# KiCad board SparkFun_Thing_Plus_ESP32-S3_panelized.kicad_pcb
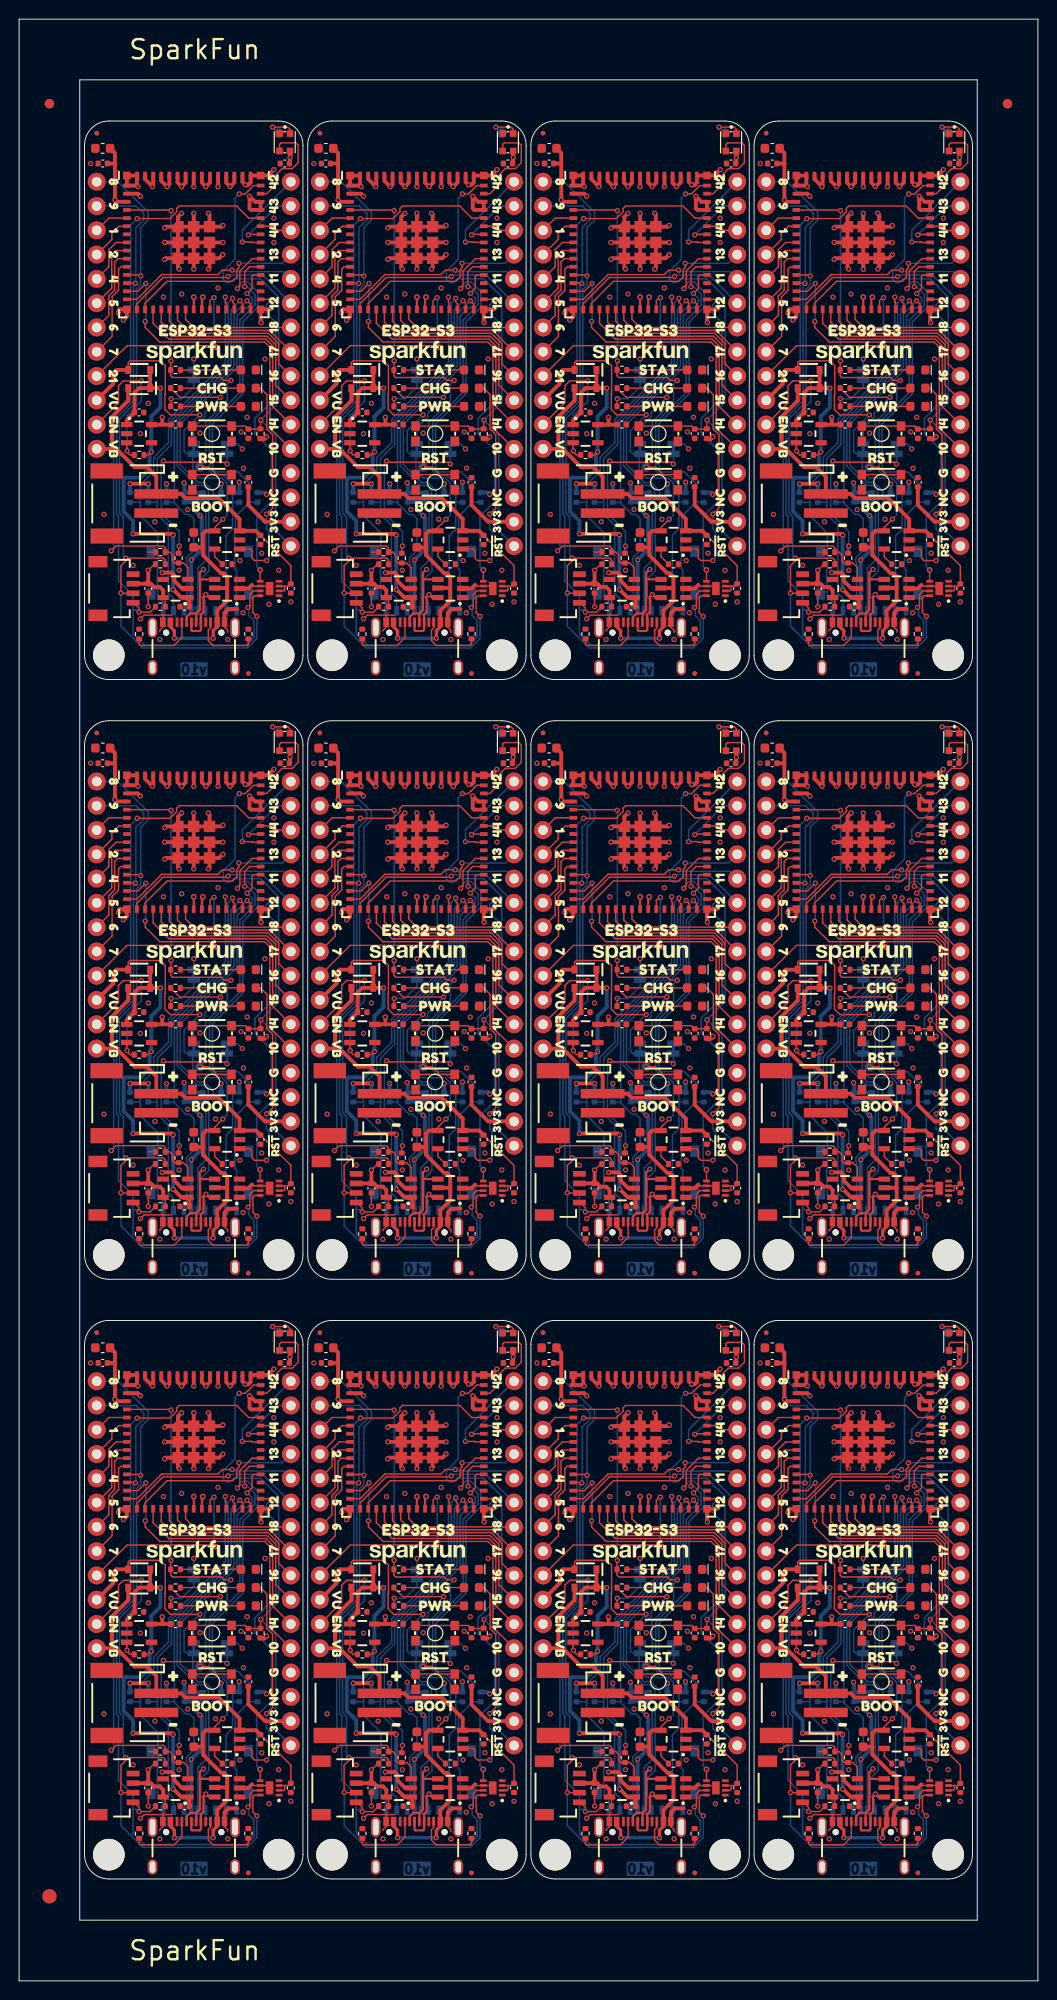
[diagram p0: board, top side]
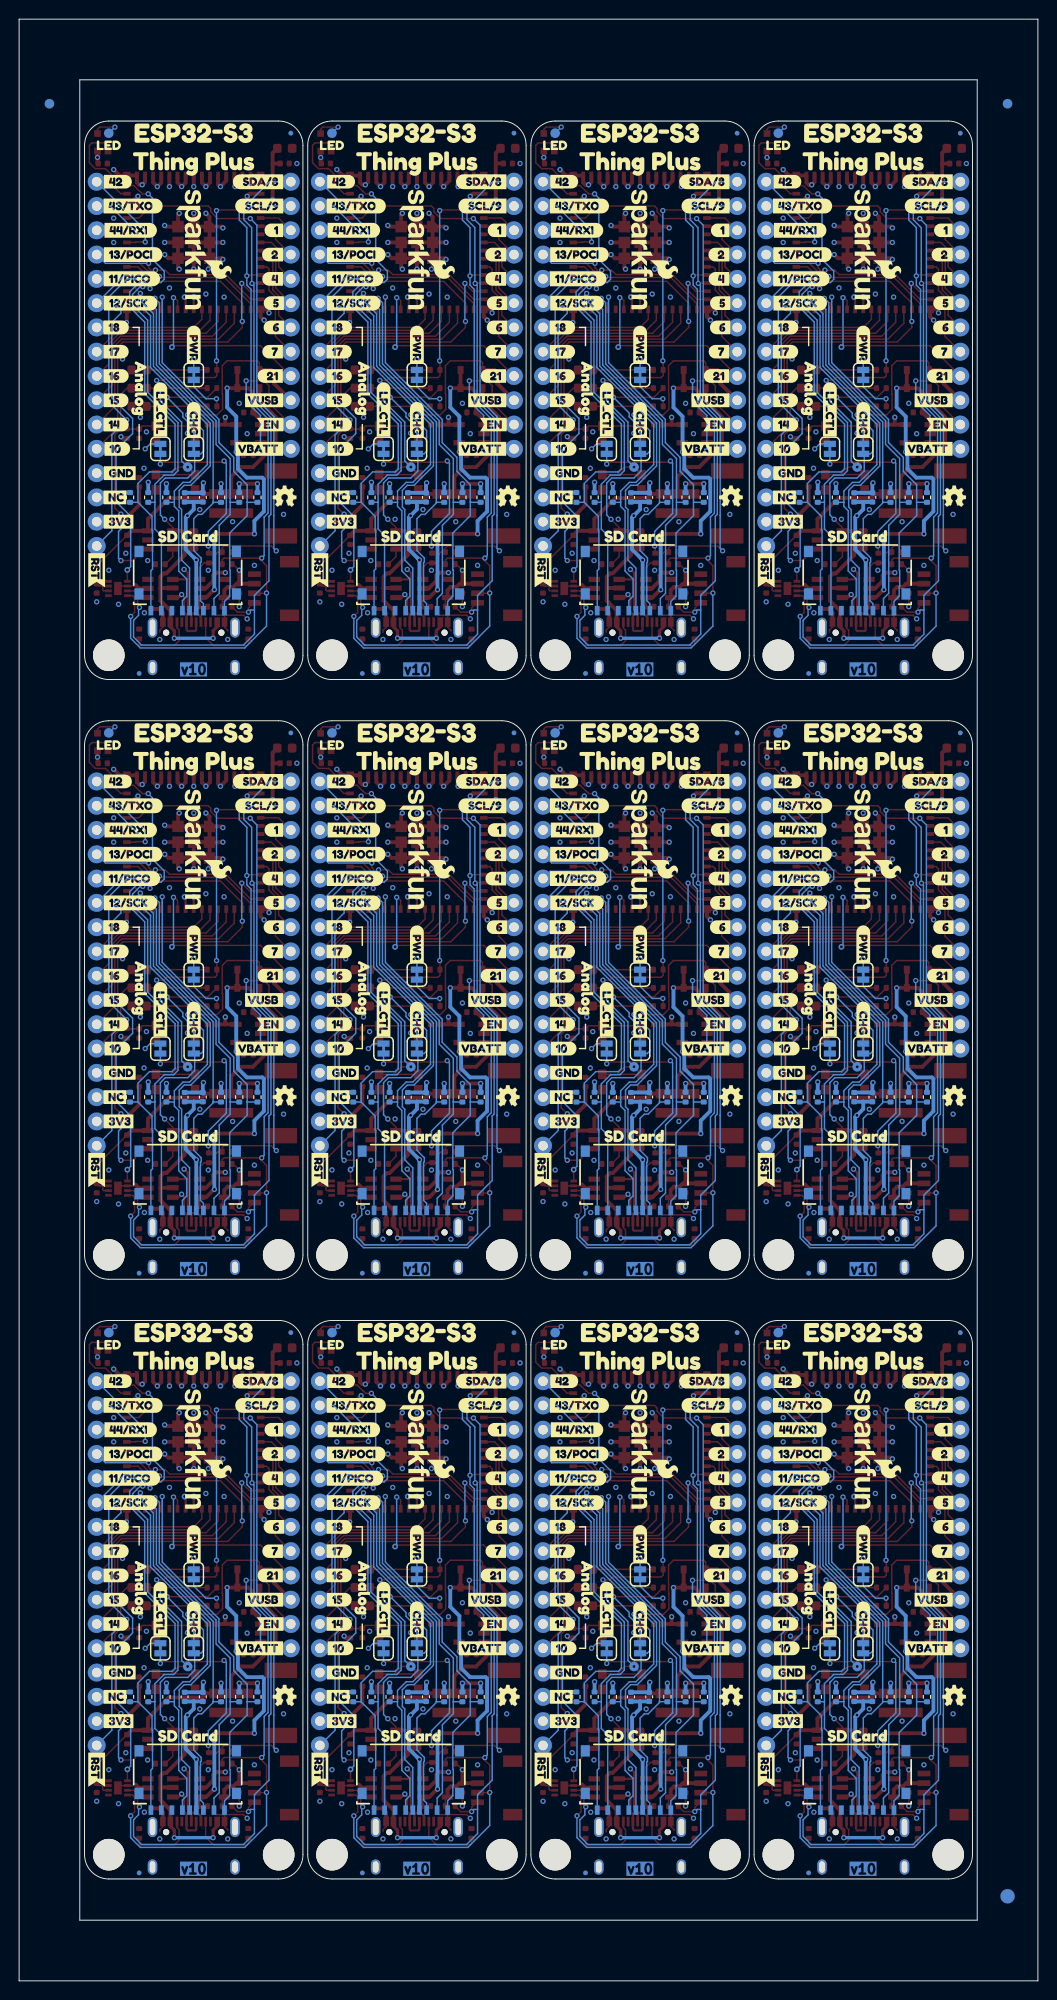
[diagram p1: board, bottom side, seen from below]

Outline 106.64 x 205.2 mm; copper layers: Top, In1.Cu - GND, In2.Cu -3V3, Bottom. Coordinates in mm from the lower left corner of the outline.
Outline path: 0,205.2 106.64,205.2 106.64,0 0,0 0,205.2 ; 6.35,198.85 100.29,198.85 100.29,6.35 6.35,6.35 6.35,198.85 ; 6.85,192 arc(7.59,193.8) 9.39,194.54 27.17,194.54 arc(28.97,193.8) 29.71,192 29.71,138.66 arc(28.97,136.86) 27.17,136.12 9.39,136.12 arc(7.59,136.86) 6.85,138.66 6.85,192 ; 6.85,129.27 arc(7.59,131.07) 9.39,131.81 27.17,131.81 arc(28.97,131.07) 29.71,129.27 29.71,75.93 arc(28.97,74.13) 27.17,73.39 9.39,73.39 arc(7.59,74.13) 6.85,75.93 6.85,129.27 ; 6.85,66.54 arc(7.59,68.34) 9.39,69.08 27.17,69.08 arc(28.97,68.34) 29.71,66.54 29.71,13.2 arc(28.97,11.4) 27.17,10.66 9.39,10.66 arc(7.59,11.4) 6.85,13.2 6.85,66.54 ; 30.21,192 arc(30.95,193.8) 32.75,194.54 50.53,194.54 arc(52.33,193.8) 53.07,192 53.07,138.66 arc(52.33,136.86) 50.53,136.12 32.75,136.12 arc(30.95,136.86) 30.21,138.66 30.21,192 ; 30.21,129.27 arc(30.95,131.07) 32.75,131.81 50.53,131.81 arc(52.33,131.07) 53.07,129.27 53.07,75.93 arc(52.33,74.13) 50.53,73.39 32.75,73.39 arc(30.95,74.13) 30.21,75.93 30.21,129.27 ; 30.21,66.54 arc(30.95,68.34) 32.75,69.08 50.53,69.08 arc(52.33,68.34) 53.07,66.54 53.07,13.2 arc(52.33,11.4) 50.53,10.66 32.75,10.66 arc(30.95,11.4) 30.21,13.2 30.21,66.54 ; 53.57,192 arc(54.31,193.8) 56.11,194.54 73.89,194.54 arc(75.69,193.8) 76.43,192 76.43,138.66 arc(75.69,136.86) 73.89,136.12 56.11,136.12 arc(54.31,136.86) 53.57,138.66 53.57,192 ; 53.57,129.27 arc(54.31,131.07) 56.11,131.81 73.89,131.81 arc(75.69,131.07) 76.43,129.27 76.43,75.93 arc(75.69,74.13) 73.89,73.39 56.11,73.39 arc(54.31,74.13) 53.57,75.93 53.57,129.27 ; 53.57,66.54 arc(54.31,68.34) 56.11,69.08 73.89,69.08 arc(75.69,68.34) 76.43,66.54 76.43,13.2 arc(75.69,11.4) 73.89,10.66 56.11,10.66 arc(54.31,11.4) 53.57,13.2 53.57,66.54 ; 76.93,192 arc(77.67,193.8) 79.47,194.54 97.25,194.54 arc(99.05,193.8) 99.79,192 99.79,138.66 arc(99.05,136.86) 97.25,136.12 79.47,136.12 arc(77.67,136.86) 76.93,138.66 76.93,192 ; 76.93,129.27 arc(77.67,131.07) 79.47,131.81 97.25,131.81 arc(99.05,131.07) 99.79,129.27 99.79,75.93 arc(99.05,74.13) 97.25,73.39 79.47,73.39 arc(77.67,74.13) 76.93,75.93 76.93,129.27 ; 76.93,66.54 arc(77.67,68.34) 79.47,69.08 97.25,69.08 arc(99.05,68.34) 99.79,66.54 99.79,13.2 arc(99.05,11.4) 97.25,10.66 79.47,10.66 arc(77.67,11.4) 76.93,13.2 76.93,66.54
Stack: Top 0.035mm / dielectric 0.1mm FR4 er 4.5 / In1.Cu - GND 0.035mm / dielectric 1.24mm FR4 er 4.5 / In2.Cu -3V3 0.035mm / dielectric 0.1mm FR4 er 4.5 / Bottom 0.035mm

## Placement (name value [footprint] x y rotation side)
C1  22uF  [C_0603_1608Metric]  55.47 128.95 0 top
C1#2  22uF  [C_0603_1608Metric]  78.84 66.22 0 top
C1#3  22uF  [C_0603_1608Metric]  32.11 191.68 0 top
C1#4  22uF  [C_0603_1608Metric]  8.75 191.68 0 top
C1#5  22uF  [C_0603_1608Metric]  32.11 128.95 0 top
C1#6  22uF  [C_0603_1608Metric]  55.47 66.22 0 top
C1#7  22uF  [C_0603_1608Metric]  32.11 66.22 0 top
C1#8  22uF  [C_0603_1608Metric]  8.75 128.95 0 top
C1#9  22uF  [C_0603_1608Metric]  55.47 191.68 0 top
C1#10  22uF  [C_0603_1608Metric]  78.84 128.95 0 top
C1#11  22uF  [C_0603_1608Metric]  78.84 191.68 0 top
C1#12  22uF  [C_0603_1608Metric]  8.75 66.22 0 top
C2  0.1uF  [C_0402_1005Metric]  98.52 145.65 270 top
C2#2  0.1uF  [C_0402_1005Metric]  51.8 82.92 270 top
C2#3  0.1uF  [C_0402_1005Metric]  28.44 82.92 270 top
C2#4  0.1uF  [C_0402_1005Metric]  51.8 20.19 270 top
C2#5  0.1uF  [C_0402_1005Metric]  75.16 82.92 270 top
C2#6  0.1uF  [C_0402_1005Metric]  75.16 145.65 270 top
C2#7  0.1uF  [C_0402_1005Metric]  98.52 82.92 270 top
C2#8  0.1uF  [C_0402_1005Metric]  75.16 20.19 270 top
C2#9  0.1uF  [C_0402_1005Metric]  51.8 145.65 270 top
C2#10  0.1uF  [C_0402_1005Metric]  28.44 145.65 270 top
C2#11  0.1uF  [C_0402_1005Metric]  98.52 20.19 270 top
C2#12  0.1uF  [C_0402_1005Metric]  28.44 20.19 270 top
C3  10uF  [C_0402_1005Metric]  36.88 20.19 270 top
C3#2  10uF  [C_0402_1005Metric]  13.52 145.65 270 top
C3#3  10uF  [C_0402_1005Metric]  36.88 82.92 270 top
C3#4  10uF  [C_0402_1005Metric]  60.24 20.19 270 top
C3#5  10uF  [C_0402_1005Metric]  13.52 82.92 270 top
C3#6  10uF  [C_0402_1005Metric]  83.6 82.92 270 top
C3#7  10uF  [C_0402_1005Metric]  60.24 145.65 270 top
C3#8  10uF  [C_0402_1005Metric]  83.6 20.19 270 top
C3#9  10uF  [C_0402_1005Metric]  36.88 145.65 270 top
C3#10  10uF  [C_0402_1005Metric]  83.6 145.65 270 top
C3#11  10uF  [C_0402_1005Metric]  60.24 82.92 270 top
C3#12  10uF  [C_0402_1005Metric]  13.52 20.19 270 top
C4  10uF  [C_0402_1005Metric]  17.33 92.44 90 bottom
C4#2  10uF  [C_0402_1005Metric]  40.69 29.71 90 bottom
C4#3  10uF  [C_0402_1005Metric]  40.69 155.17 90 bottom
C4#4  10uF  [C_0402_1005Metric]  64.05 29.71 90 bottom
C4#5  10uF  [C_0402_1005Metric]  64.05 155.17 90 bottom
C4#6  10uF  [C_0402_1005Metric]  17.33 155.17 90 bottom
C4#7  10uF  [C_0402_1005Metric]  40.69 92.44 90 bottom
C4#8  10uF  [C_0402_1005Metric]  64.05 92.44 90 bottom
C4#9  10uF  [C_0402_1005Metric]  87.41 29.71 90 bottom
C4#10  10uF  [C_0402_1005Metric]  87.41 92.44 90 bottom
C4#11  10uF  [C_0402_1005Metric]  87.41 155.17 90 bottom
C4#12  10uF  [C_0402_1005Metric]  17.33 29.71 90 bottom
C5  0.1uF  [C_0402_1005Metric]  89.31 92.44 90 bottom
C5#2  0.1uF  [C_0402_1005Metric]  65.95 155.17 90 bottom
C5#3  0.1uF  [C_0402_1005Metric]  19.23 155.17 90 bottom
C5#4  0.1uF  [C_0402_1005Metric]  42.59 29.71 90 bottom
C5#5  0.1uF  [C_0402_1005Metric]  19.23 92.44 90 bottom
C5#6  0.1uF  [C_0402_1005Metric]  42.59 92.44 90 bottom
C5#7  0.1uF  [C_0402_1005Metric]  65.95 92.44 90 bottom
C5#8  0.1uF  [C_0402_1005Metric]  42.59 155.17 90 bottom
C5#9  0.1uF  [C_0402_1005Metric]  89.31 29.71 90 bottom
C5#10  0.1uF  [C_0402_1005Metric]  65.95 29.71 90 bottom
C5#11  0.1uF  [C_0402_1005Metric]  89.31 155.17 90 bottom
C5#12  0.1uF  [C_0402_1005Metric]  19.23 29.71 90 bottom
C6  1.0uF  [C_0402_1005Metric]  70.72 36.38 270 top
C6#2  1.0uF  [C_0402_1005Metric]  47.35 36.38 270 top
C6#3  1.0uF  [C_0402_1005Metric]  94.07 99.11 270 top
C6#4  1.0uF  [C_0402_1005Metric]  47.35 99.11 270 top
C6#5  1.0uF  [C_0402_1005Metric]  47.35 161.84 270 top
C6#6  1.0uF  [C_0402_1005Metric]  94.07 36.38 270 top
C6#7  1.0uF  [C_0402_1005Metric]  70.72 99.11 270 top
C6#8  1.0uF  [C_0402_1005Metric]  70.72 161.84 270 top
C6#9  1.0uF  [C_0402_1005Metric]  24 99.11 270 top
C6#10  1.0uF  [C_0402_1005Metric]  24 161.84 270 top
C6#11  1.0uF  [C_0402_1005Metric]  94.07 161.84 270 top
C6#12  1.0uF  [C_0402_1005Metric]  24 36.38 270 top
C7  4.7uF  [C_0402_1005Metric]  55.47 64.64 180 top
C7#2  4.7uF  [C_0402_1005Metric]  32.11 127.37 180 top
C7#3  4.7uF  [C_0402_1005Metric]  55.47 127.37 180 top
C7#4  4.7uF  [C_0402_1005Metric]  78.84 190.09 180 top
C7#5  4.7uF  [C_0402_1005Metric]  32.11 190.09 180 top
C7#6  4.7uF  [C_0402_1005Metric]  78.84 127.37 180 top
C7#7  4.7uF  [C_0402_1005Metric]  55.47 190.09 180 top
C7#8  4.7uF  [C_0402_1005Metric]  78.84 64.64 180 top
C7#9  4.7uF  [C_0402_1005Metric]  8.75 127.37 180 top
C7#10  4.7uF  [C_0402_1005Metric]  8.75 190.09 180 top
C7#11  4.7uF  [C_0402_1005Metric]  32.11 64.64 180 top
C7#12  4.7uF  [C_0402_1005Metric]  8.75 64.64 180 top
C8  0.1uF  [C_0402_1005Metric]  51.16 127.37 180 top
C8#2  0.1uF  [C_0402_1005Metric]  74.53 190.09 180 top
C8#3  0.1uF  [C_0402_1005Metric]  97.88 127.37 180 top
C8#4  0.1uF  [C_0402_1005Metric]  74.53 127.37 180 top
C8#5  0.1uF  [C_0402_1005Metric]  74.53 64.64 180 top
C8#6  0.1uF  [C_0402_1005Metric]  27.81 127.37 180 top
C8#7  0.1uF  [C_0402_1005Metric]  27.81 190.09 180 top
C8#8  0.1uF  [C_0402_1005Metric]  51.16 64.64 180 top
C8#9  0.1uF  [C_0402_1005Metric]  51.16 190.09 180 top
C8#10  0.1uF  [C_0402_1005Metric]  97.88 64.64 180 top
C8#11  0.1uF  [C_0402_1005Metric]  97.88 190.09 180 top
C8#12  0.1uF  [C_0402_1005Metric]  27.81 64.64 180 top
C9  4.7uF  [C_0603_1608Metric]  18.28 88 90 top
C9#2  4.7uF  [C_0603_1608Metric]  41.64 25.27 90 top
C9#3  4.7uF  [C_0603_1608Metric]  41.64 88 90 top
C9#4  4.7uF  [C_0603_1608Metric]  41.64 150.72 90 top
C9#5  4.7uF  [C_0603_1608Metric]  65 25.27 90 top
C9#6  4.7uF  [C_0603_1608Metric]  65 88 90 top
C9#7  4.7uF  [C_0603_1608Metric]  65 150.72 90 top
C9#8  4.7uF  [C_0603_1608Metric]  88.36 88 90 top
C9#9  4.7uF  [C_0603_1608Metric]  88.36 150.72 90 top
C9#10  4.7uF  [C_0603_1608Metric]  18.28 150.72 90 top
C9#11  4.7uF  [C_0603_1608Metric]  88.36 25.27 90 top
C9#12  4.7uF  [C_0603_1608Metric]  18.28 25.27 90 top
C10  2.2uF  [C_0402_1005Metric]  35.93 164.06 0 top
C10#2  2.2uF  [C_0402_1005Metric]  82.65 101.33 0 top
C10#3  2.2uF  [C_0402_1005Metric]  12.56 164.06 0 top
C10#4  2.2uF  [C_0402_1005Metric]  35.93 38.6 0 top
C10#5  2.2uF  [C_0402_1005Metric]  35.93 101.33 0 top
C10#6  2.2uF  [C_0402_1005Metric]  59.28 38.6 0 top
C10#7  2.2uF  [C_0402_1005Metric]  82.65 38.6 0 top
C10#8  2.2uF  [C_0402_1005Metric]  12.56 101.33 0 top
C10#9  2.2uF  [C_0402_1005Metric]  59.28 101.33 0 top
C10#10  2.2uF  [C_0402_1005Metric]  59.28 164.06 0 top
C10#11  2.2uF  [C_0402_1005Metric]  82.65 164.06 0 top
C10#12  2.2uF  [C_0402_1005Metric]  12.56 38.6 0 top
C11  0.1uF  [C_0402_1005Metric]  47.35 94.03 90 top
C11#2  0.1uF  [C_0402_1005Metric]  24 94.03 90 top
C11#3  0.1uF  [C_0402_1005Metric]  24 156.76 90 top
C11#4  0.1uF  [C_0402_1005Metric]  47.35 31.3 90 top
C11#5  0.1uF  [C_0402_1005Metric]  47.35 156.76 90 top
C11#6  0.1uF  [C_0402_1005Metric]  70.72 94.03 90 top
C11#7  0.1uF  [C_0402_1005Metric]  70.72 156.76 90 top
C11#8  0.1uF  [C_0402_1005Metric]  94.07 94.03 90 top
C11#9  0.1uF  [C_0402_1005Metric]  94.07 156.76 90 top
C11#10  0.1uF  [C_0402_1005Metric]  70.72 31.3 90 top
C11#11  0.1uF  [C_0402_1005Metric]  94.07 31.3 90 top
C11#12  0.1uF  [C_0402_1005Metric]  24 31.3 90 top
C12  4.7uF  [C_0402_1005Metric]  71.99 88 270 top
C12#2  4.7uF  [C_0402_1005Metric]  48.62 150.72 270 top
C12#3  4.7uF  [C_0402_1005Metric]  48.62 88 270 top
C12#4  4.7uF  [C_0402_1005Metric]  71.99 150.72 270 top
C12#5  4.7uF  [C_0402_1005Metric]  95.34 88 270 top
C12#6  4.7uF  [C_0402_1005Metric]  25.27 150.72 270 top
C12#7  4.7uF  [C_0402_1005Metric]  25.27 88 270 top
C12#8  4.7uF  [C_0402_1005Metric]  48.62 25.27 270 top
C12#9  4.7uF  [C_0402_1005Metric]  71.99 25.27 270 top
C12#10  4.7uF  [C_0402_1005Metric]  95.34 25.27 270 top
C12#11  4.7uF  [C_0402_1005Metric]  95.34 150.72 270 top
C12#12  4.7uF  [C_0402_1005Metric]  25.27 25.27 270 top
C13  1.0uF  [C_0402_1005Metric]  16.38 162.79 0 top
C13#2  1.0uF  [C_0402_1005Metric]  63.09 37.33 0 top
C13#3  1.0uF  [C_0402_1005Metric]  63.09 100.06 0 top
C13#4  1.0uF  [C_0402_1005Metric]  39.74 37.33 0 top
C13#5  1.0uF  [C_0402_1005Metric]  39.74 100.06 0 top
C13#6  1.0uF  [C_0402_1005Metric]  86.46 100.06 0 top
C13#7  1.0uF  [C_0402_1005Metric]  39.74 162.79 0 top
C13#8  1.0uF  [C_0402_1005Metric]  63.09 162.79 0 top
C13#9  1.0uF  [C_0402_1005Metric]  86.46 162.79 0 top
C13#10  1.0uF  [C_0402_1005Metric]  16.38 100.06 0 top
C13#11  1.0uF  [C_0402_1005Metric]  86.46 37.33 0 top
C13#12  1.0uF  [C_0402_1005Metric]  16.38 37.33 0 top
C14  2.2uF  [C_0402_1005Metric]  17.33 81.01 180 top
C14#2  2.2uF  [C_0402_1005Metric]  17.33 143.74 180 top
C14#3  2.2uF  [C_0402_1005Metric]  87.41 18.28 180 top
C14#4  2.2uF  [C_0402_1005Metric]  64.05 81.01 180 top
C14#5  2.2uF  [C_0402_1005Metric]  87.41 143.74 180 top
C14#6  2.2uF  [C_0402_1005Metric]  40.69 18.28 180 top
C14#7  2.2uF  [C_0402_1005Metric]  40.69 143.74 180 top
C14#8  2.2uF  [C_0402_1005Metric]  64.05 18.28 180 top
C14#9  2.2uF  [C_0402_1005Metric]  87.41 81.01 180 top
C14#10  2.2uF  [C_0402_1005Metric]  40.69 81.01 180 top
C14#11  2.2uF  [C_0402_1005Metric]  64.05 143.74 180 top
C14#12  2.2uF  [C_0402_1005Metric]  17.33 18.28 180 top
D1  Green  [LED_0603_1608Metric]  47.35 105.78 180 top
D1#2  Green  [LED_0603_1608Metric]  24 105.78 180 top
D1#3  Green  [LED_0603_1608Metric]  24 168.5 180 top
D1#4  Green  [LED_0603_1608Metric]  47.35 43.05 180 top
D1#5  Green  [LED_0603_1608Metric]  70.72 168.5 180 top
D1#6  Green  [LED_0603_1608Metric]  70.72 105.78 180 top
D1#7  Green  [LED_0603_1608Metric]  47.35 168.5 180 top
D1#8  Green  [LED_0603_1608Metric]  70.72 43.05 180 top
D1#9  Green  [LED_0603_1608Metric]  94.07 43.05 180 top
D1#10  Green  [LED_0603_1608Metric]  94.07 105.78 180 top
D1#11  Green  [LED_0603_1608Metric]  94.07 168.5 180 top
D1#12  Green  [LED_0603_1608Metric]  24 43.05 180 top
D2  3A  [SOD-323]  59.28 105.78 180 top
D2#2  3A  [SOD-323]  12.56 168.5 180 top
D2#3  3A  [SOD-323]  59.28 43.05 180 top
D2#4  3A  [SOD-323]  82.65 168.5 180 top
D2#5  3A  [SOD-323]  35.93 168.5 180 top
D2#6  3A  [SOD-323]  82.65 43.05 180 top
D2#7  3A  [SOD-323]  35.93 105.78 180 top
D2#8  3A  [SOD-323]  35.93 43.05 180 top
D2#9  3A  [SOD-323]  59.28 168.5 180 top
D2#10  3A  [SOD-323]  82.65 105.78 180 top
D2#11  3A  [SOD-323]  12.56 105.78 180 top
D2#12  3A  [SOD-323]  12.56 43.05 180 top
D3  3A  [SOD-323]  12.56 166.6 180 top
D3#2  3A  [SOD-323]  82.65 41.14 180 top
D3#3  3A  [SOD-323]  35.93 41.14 180 top
D3#4  3A  [SOD-323]  59.28 166.6 180 top
D3#5  3A  [SOD-323]  82.65 166.6 180 top
D3#6  3A  [SOD-323]  12.56 103.87 180 top
D3#7  3A  [SOD-323]  35.93 166.6 180 top
D3#8  3A  [SOD-323]  59.28 41.14 180 top
D3#9  3A  [SOD-323]  59.28 103.87 180 top
D3#10  3A  [SOD-323]  35.93 103.87 180 top
D3#11  3A  [SOD-323]  82.65 103.87 180 top
D3#12  3A  [SOD-323]  12.56 41.14 180 top
D4  Yellow  [LED_0603_1608Metric]  47.35 166.6 180 top
D4#2  Yellow  [LED_0603_1608Metric]  94.07 41.14 180 top
D4#3  Yellow  [LED_0603_1608Metric]  70.72 103.87 180 top
D4#4  Yellow  [LED_0603_1608Metric]  94.07 166.6 180 top
D4#5  Yellow  [LED_0603_1608Metric]  70.72 41.14 180 top
D4#6  Yellow  [LED_0603_1608Metric]  24 166.6 180 top
D4#7  Yellow  [LED_0603_1608Metric]  47.35 41.14 180 top
D4#8  Yellow  [LED_0603_1608Metric]  47.35 103.87 180 top
D4#9  Yellow  [LED_0603_1608Metric]  24 103.87 180 top
D4#10  Yellow  [LED_0603_1608Metric]  70.72 166.6 180 top
D4#11  Yellow  [LED_0603_1608Metric]  94.07 103.87 180 top
D4#12  Yellow  [LED_0603_1608Metric]  24 41.14 180 top
D5  Red  [LED_0603_1608Metric]  70.72 39.23 180 top
D5#2  Red  [LED_0603_1608Metric]  70.72 164.69 180 top
D5#3  Red  [LED_0603_1608Metric]  47.35 39.23 180 top
D5#4  Red  [LED_0603_1608Metric]  94.07 164.69 180 top
D5#5  Red  [LED_0603_1608Metric]  24 101.97 180 top
D5#6  Red  [LED_0603_1608Metric]  24 164.69 180 top
D5#7  Red  [LED_0603_1608Metric]  47.35 101.97 180 top
D5#8  Red  [LED_0603_1608Metric]  94.07 101.97 180 top
D5#9  Red  [LED_0603_1608Metric]  70.72 101.97 180 top
D5#10  Red  [LED_0603_1608Metric]  47.35 164.69 180 top
D5#11  Red  [LED_0603_1608Metric]  94.07 39.23 180 top
D5#12  Red  [LED_0603_1608Metric]  24 39.23 180 top
D6  WS2812B  [WS2812-2020]  27.81 192.32 90 top
D6#2  WS2812B  [WS2812-2020]  74.53 192.32 90 top
D6#3  WS2812B  [WS2812-2020]  51.16 129.59 90 top
D6#4  WS2812B  [WS2812-2020]  74.53 129.59 90 top
D6#5  WS2812B  [WS2812-2020]  51.16 66.86 90 top
D6#6  WS2812B  [WS2812-2020]  27.81 129.59 90 top
D6#7  WS2812B  [WS2812-2020]  51.16 192.32 90 top
D6#8  WS2812B  [WS2812-2020]  74.53 66.86 90 top
D6#9  WS2812B  [WS2812-2020]  97.88 66.86 90 top
D6#10  WS2812B  [WS2812-2020]  97.88 129.59 90 top
D6#11  WS2812B  [WS2812-2020]  97.88 192.32 90 top
D6#12  WS2812B  [WS2812-2020]  27.81 66.86 90 top
FID1  Fiducial_0.5  [Fiducial_0.5mm_Mask1mm]  24 74.03 180 bottom
FID1#2  Fiducial_0.5  [Fiducial_0.5mm_Mask1mm]  70.72 11.3 180 bottom
FID1#3  Fiducial_0.5  [Fiducial_0.5mm_Mask1mm]  47.35 11.3 180 bottom
FID1#4  Fiducial_0.5  [Fiducial_0.5mm_Mask1mm]  70.72 136.75 180 bottom
FID1#5  Fiducial_0.5  [Fiducial_0.5mm_Mask1mm]  24 136.75 180 bottom
FID1#6  Fiducial_0.5  [Fiducial_0.5mm_Mask1mm]  47.35 74.03 180 bottom
FID1#7  Fiducial_0.5  [Fiducial_0.5mm_Mask1mm]  70.72 74.03 180 bottom
FID1#8  Fiducial_0.5  [Fiducial_0.5mm_Mask1mm]  47.35 136.75 180 bottom
FID1#9  Fiducial_0.5  [Fiducial_0.5mm_Mask1mm]  94.07 136.75 180 bottom
FID1#10  Fiducial_0.5  [Fiducial_0.5mm_Mask1mm]  94.07 11.3 180 bottom
FID1#11  Fiducial_0.5  [Fiducial_0.5mm_Mask1mm]  94.07 74.03 180 bottom
FID1#12  Fiducial_0.5  [Fiducial_0.5mm_Mask1mm]  24 11.3 180 bottom
FID2  Fiducial_0.5  [Fiducial_0.5mm_Mask1mm]  31.48 67.81 180 bottom
FID2#2  Fiducial_0.5  [Fiducial_0.5mm_Mask1mm]  8.12 193.27 180 bottom
FID2#3  Fiducial_0.5  [Fiducial_0.5mm_Mask1mm]  54.84 67.81 180 bottom
FID2#4  Fiducial_0.5  [Fiducial_0.5mm_Mask1mm]  78.2 193.27 180 bottom
FID2#5  Fiducial_0.5  [Fiducial_0.5mm_Mask1mm]  8.12 130.54 180 bottom
FID2#6  Fiducial_0.5  [Fiducial_0.5mm_Mask1mm]  31.48 193.27 180 bottom
FID2#7  Fiducial_0.5  [Fiducial_0.5mm_Mask1mm]  31.48 130.54 180 bottom
FID2#8  Fiducial_0.5  [Fiducial_0.5mm_Mask1mm]  54.84 193.27 180 bottom
FID2#9  Fiducial_0.5  [Fiducial_0.5mm_Mask1mm]  54.84 130.54 180 bottom
FID2#10  Fiducial_0.5  [Fiducial_0.5mm_Mask1mm]  78.2 67.81 180 bottom
FID2#11  Fiducial_0.5  [Fiducial_0.5mm_Mask1mm]  78.2 130.54 180 bottom
FID2#12  Fiducial_0.5  [Fiducial_0.5mm_Mask1mm]  8.12 67.81 180 bottom
FID3  Fiducial_0.5  [Fiducial_0.5mm_Mask1mm]  8.12 130.54 0 top
FID3#2  Fiducial_0.5  [Fiducial_0.5mm_Mask1mm]  8.12 193.27 0 top
FID3#3  Fiducial_0.5  [Fiducial_0.5mm_Mask1mm]  31.48 130.54 0 top
FID3#4  Fiducial_0.5  [Fiducial_0.5mm_Mask1mm]  31.48 193.27 0 top
FID3#5  Fiducial_0.5  [Fiducial_0.5mm_Mask1mm]  54.84 130.54 0 top
FID3#6  Fiducial_0.5  [Fiducial_0.5mm_Mask1mm]  31.48 67.81 0 top
FID3#7  Fiducial_0.5  [Fiducial_0.5mm_Mask1mm]  54.84 67.81 0 top
FID3#8  Fiducial_0.5  [Fiducial_0.5mm_Mask1mm]  54.84 193.27 0 top
FID3#9  Fiducial_0.5  [Fiducial_0.5mm_Mask1mm]  78.2 130.54 0 top
FID3#10  Fiducial_0.5  [Fiducial_0.5mm_Mask1mm]  78.2 67.81 0 top
FID3#11  Fiducial_0.5  [Fiducial_0.5mm_Mask1mm]  78.2 193.27 0 top
FID3#12  Fiducial_0.5  [Fiducial_0.5mm_Mask1mm]  8.12 67.81 0 top
FID4  Fiducial_0.5  [Fiducial_0.5mm_Mask1mm]  47.35 74.03 0 top
FID4#2  Fiducial_0.5  [Fiducial_0.5mm_Mask1mm]  24 74.03 0 top
FID4#3  Fiducial_0.5  [Fiducial_0.5mm_Mask1mm]  94.07 11.3 0 top
FID4#4  Fiducial_0.5  [Fiducial_0.5mm_Mask1mm]  24 136.75 0 top
FID4#5  Fiducial_0.5  [Fiducial_0.5mm_Mask1mm]  47.35 11.3 0 top
FID4#6  Fiducial_0.5  [Fiducial_0.5mm_Mask1mm]  70.72 74.03 0 top
FID4#7  Fiducial_0.5  [Fiducial_0.5mm_Mask1mm]  70.72 136.75 0 top
FID4#8  Fiducial_0.5  [Fiducial_0.5mm_Mask1mm]  70.72 11.3 0 top
FID4#9  Fiducial_0.5  [Fiducial_0.5mm_Mask1mm]  47.35 136.75 0 top
FID4#10  Fiducial_0.5  [Fiducial_0.5mm_Mask1mm]  94.07 136.75 0 top
FID4#11  Fiducial_0.5  [Fiducial_0.5mm_Mask1mm]  94.07 74.03 0 top
FID4#12  Fiducial_0.5  [Fiducial_0.5mm_Mask1mm]  24 11.3 0 top
G3  OSHW_Logo  [Creative_Commons_License]  13.83 -7.12 0 top
G***  LOGO  [SparkFun_Logo_NoFlame_10mm]  18.28 170.41 0 top
G***#2  LOGO  [SparkFun_Logo_NoFlame_10mm]  41.64 44.95 0 top
G***#3  LOGO  [SparkFun_Logo_NoFlame_10mm]  18.28 107.68 0 top
G***#4  LOGO  [SparkFun_Logo_NoFlame_10mm]  41.64 107.68 0 top
G***#5  LOGO  [SparkFun_Logo_NoFlame_10mm]  41.64 170.41 0 top
G***#6  LOGO  [SparkFun_Logo_NoFlame_10mm]  65 44.95 0 top
G***#7  LOGO  [SparkFun_Logo_NoFlame_10mm]  65 107.68 0 top
G***#8  LOGO  [SparkFun_Logo_NoFlame_10mm]  65 170.41 0 top
G***#9  LOGO  [SparkFun_Logo_NoFlame_10mm]  88.36 107.68 0 top
G***#10  LOGO  [SparkFun_Logo_NoFlame_10mm]  88.36 170.41 0 top
G***#11  LOGO  [SparkFun_Logo_NoFlame_10mm]  88.36 44.95 0 top
G***#12  LOGO  [SparkFun_Logo_NoFlame_10mm]  18.28 44.95 0 top
G***#13  LOGO  [SparkFun_Logo_12.5mm]  65 181.21 270 bottom
G***#14  LOGO  [SparkFun_Logo_12.5mm]  88.36 118.47 270 bottom
G***#15  LOGO  [SparkFun_Logo_12.5mm]  41.64 55.75 270 bottom
G***#16  LOGO  [SparkFun_Logo_12.5mm]  18.28 118.47 270 bottom
G***#17  LOGO  [SparkFun_Logo_12.5mm]  18.28 181.21 270 bottom
G***#18  LOGO  [SparkFun_Logo_12.5mm]  65 55.75 270 bottom
G***#19  LOGO  [SparkFun_Logo_12.5mm]  41.64 181.21 270 bottom
G***#20  LOGO  [SparkFun_Logo_12.5mm]  65 118.47 270 bottom
G***#21  LOGO  [SparkFun_Logo_12.5mm]  41.64 118.47 270 bottom
G***#22  LOGO  [SparkFun_Logo_12.5mm]  88.36 55.75 270 bottom
G***#23  LOGO  [SparkFun_Logo_12.5mm]  88.36 181.21 270 bottom
G***#24  LOGO  [SparkFun_Logo_12.5mm]  18.28 55.75 270 bottom
J1  USB_C_Receptacle  [USB-C-16P]  18.28 79.74 0 top
J1#2  USB_C_Receptacle  [USB-C-16P]  65 79.74 0 top
J1#3  USB_C_Receptacle  [USB-C-16P]  18.28 142.47 0 top
J1#4  USB_C_Receptacle  [USB-C-16P]  41.64 17.01 0 top
J1#5  USB_C_Receptacle  [USB-C-16P]  41.64 79.74 0 top
J1#6  USB_C_Receptacle  [USB-C-16P]  41.64 142.47 0 top
J1#7  USB_C_Receptacle  [USB-C-16P]  65 17.01 0 top
J1#8  USB_C_Receptacle  [USB-C-16P]  65 142.47 0 top
J1#9  USB_C_Receptacle  [USB-C-16P]  88.36 79.74 0 top
J1#10  USB_C_Receptacle  [USB-C-16P]  88.36 142.47 0 top
J1#11  USB_C_Receptacle  [USB-C-16P]  88.36 17.01 0 top